# Altium PCB Coffee Machine.PcbDoc
Units mm, origin at the board's own origin, x right, y up, seen from the top; angles counter-clockwise.
Board outline 100 x 60 mm, 2 copper layers (Top Layer, Bottom Layer); 75 components, 66 nets, 236 pads, 47 vias.
Unrouted connection lines stored in the file: 1.
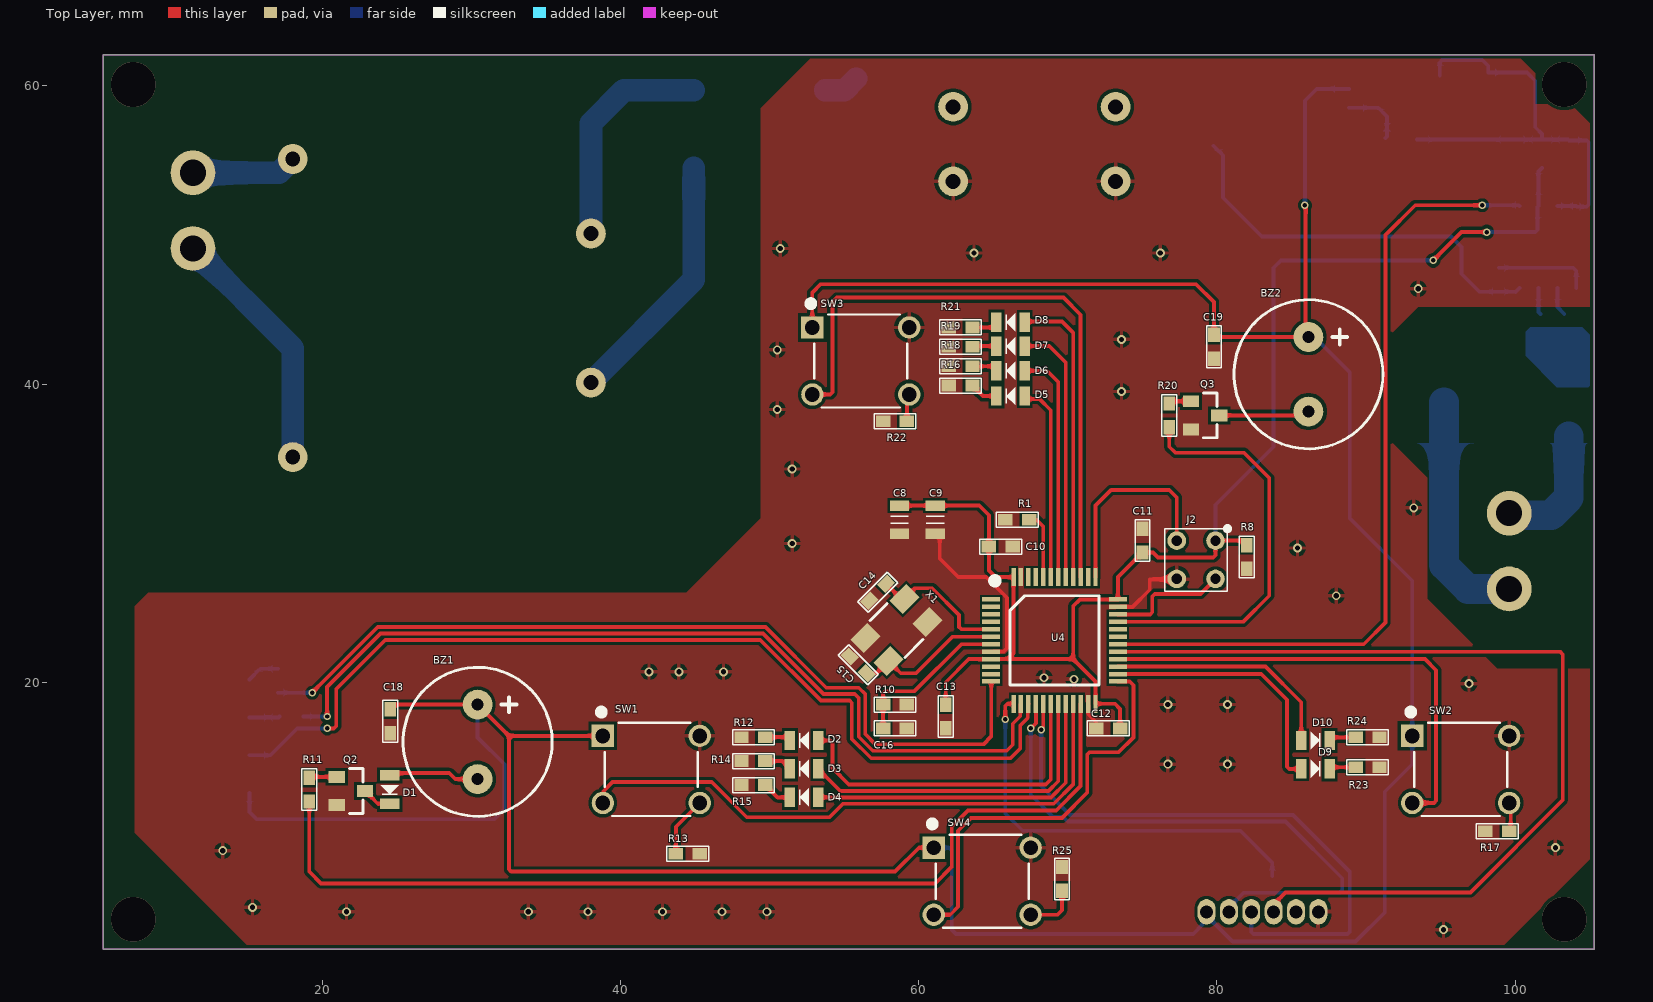
[diagram p0: Top Layer view]
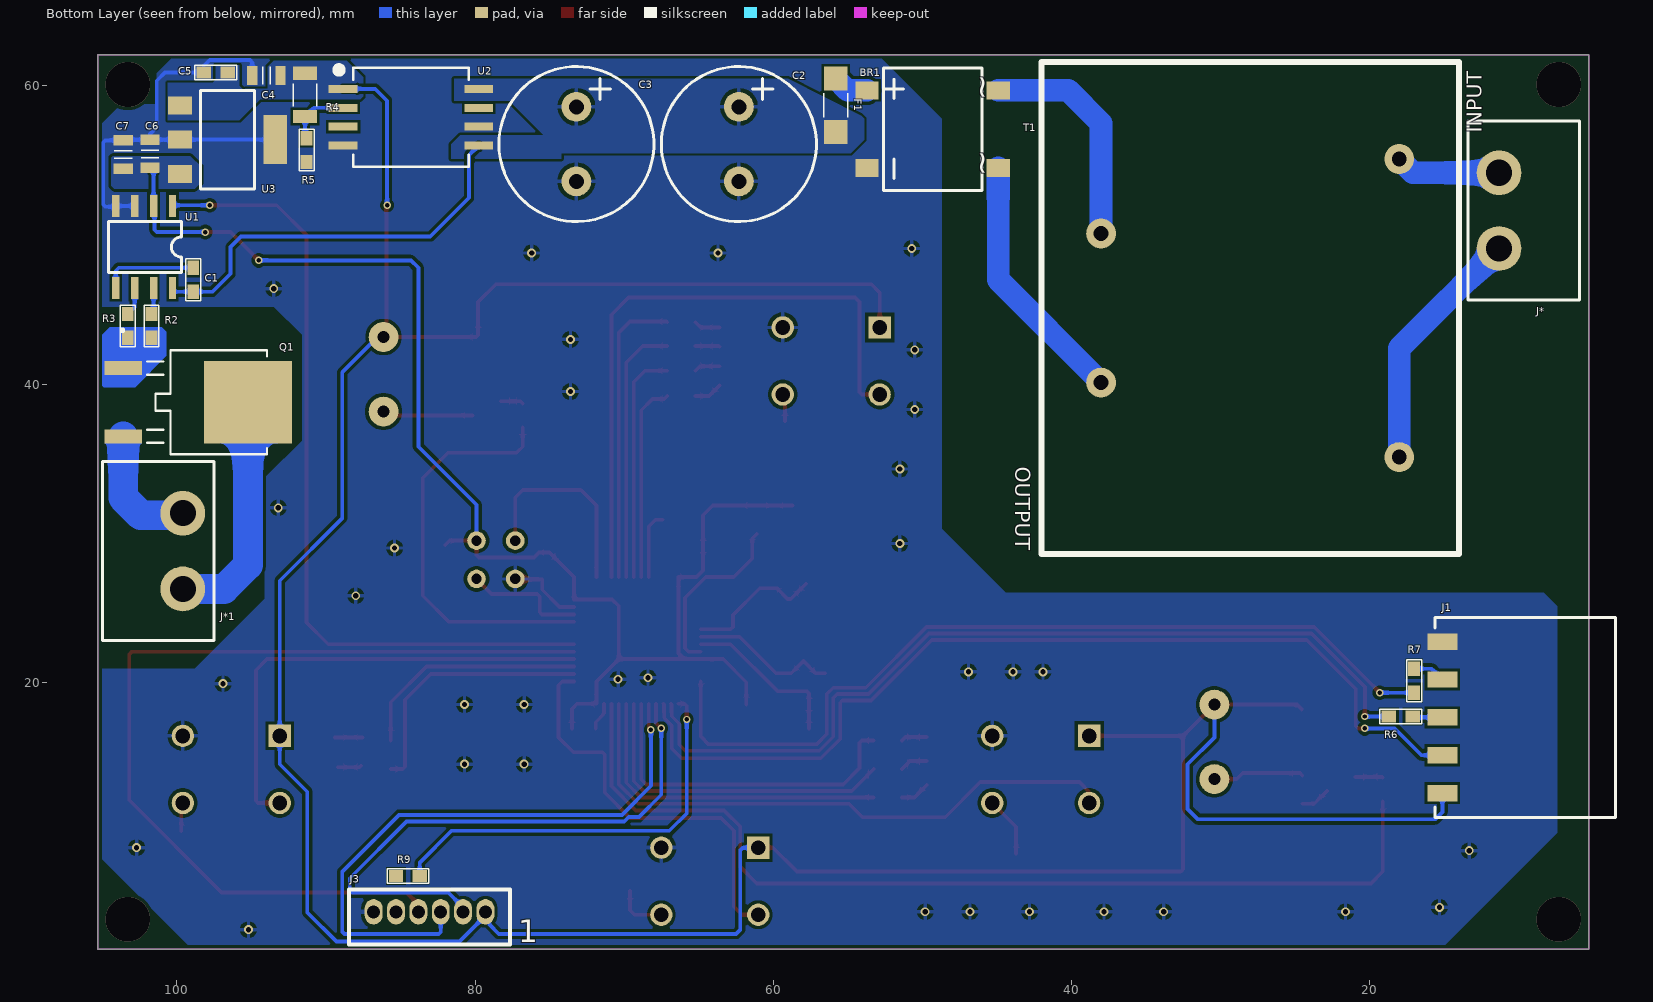
[diagram p1: Bottom Layer view, seen from below]
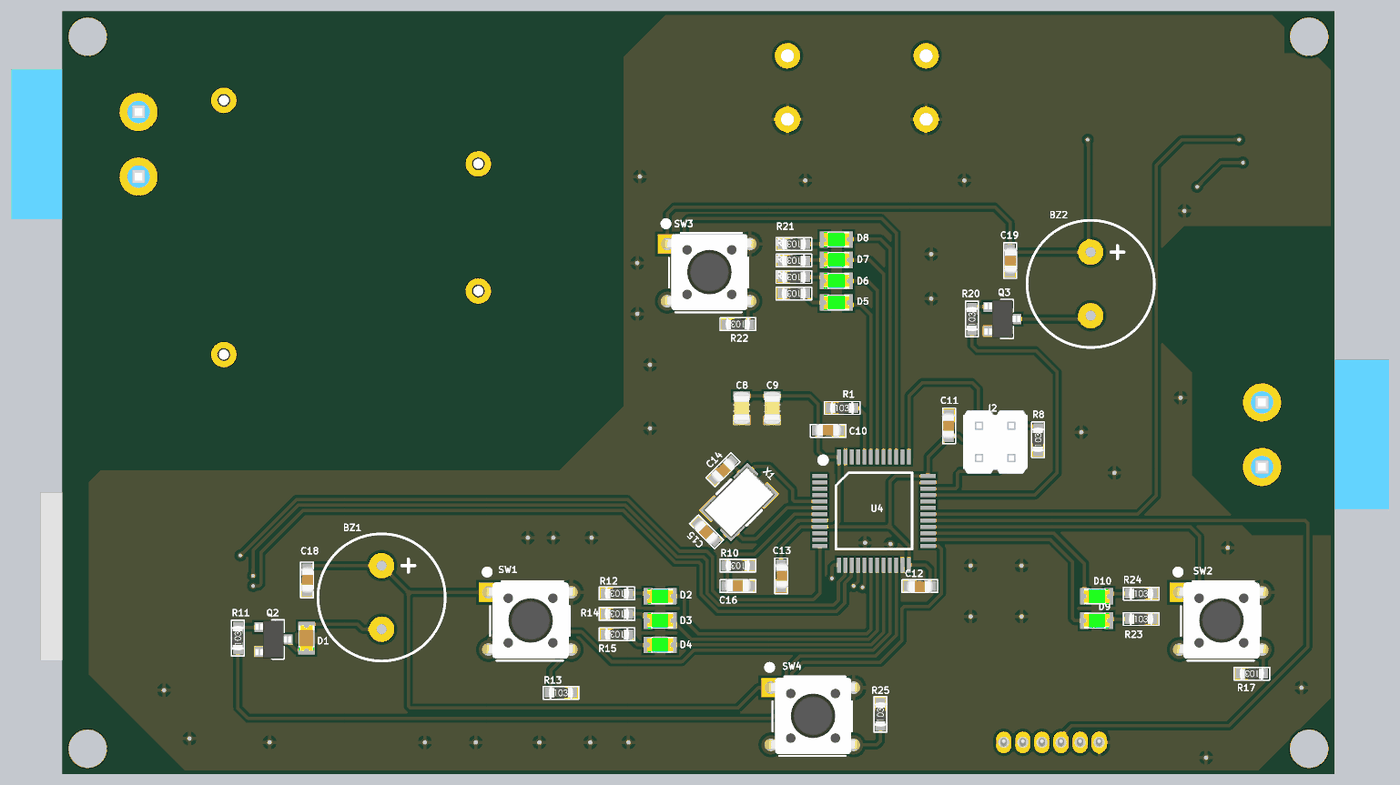
[diagram p2: 3D render of the assembled board from above, using the file's embedded part models]
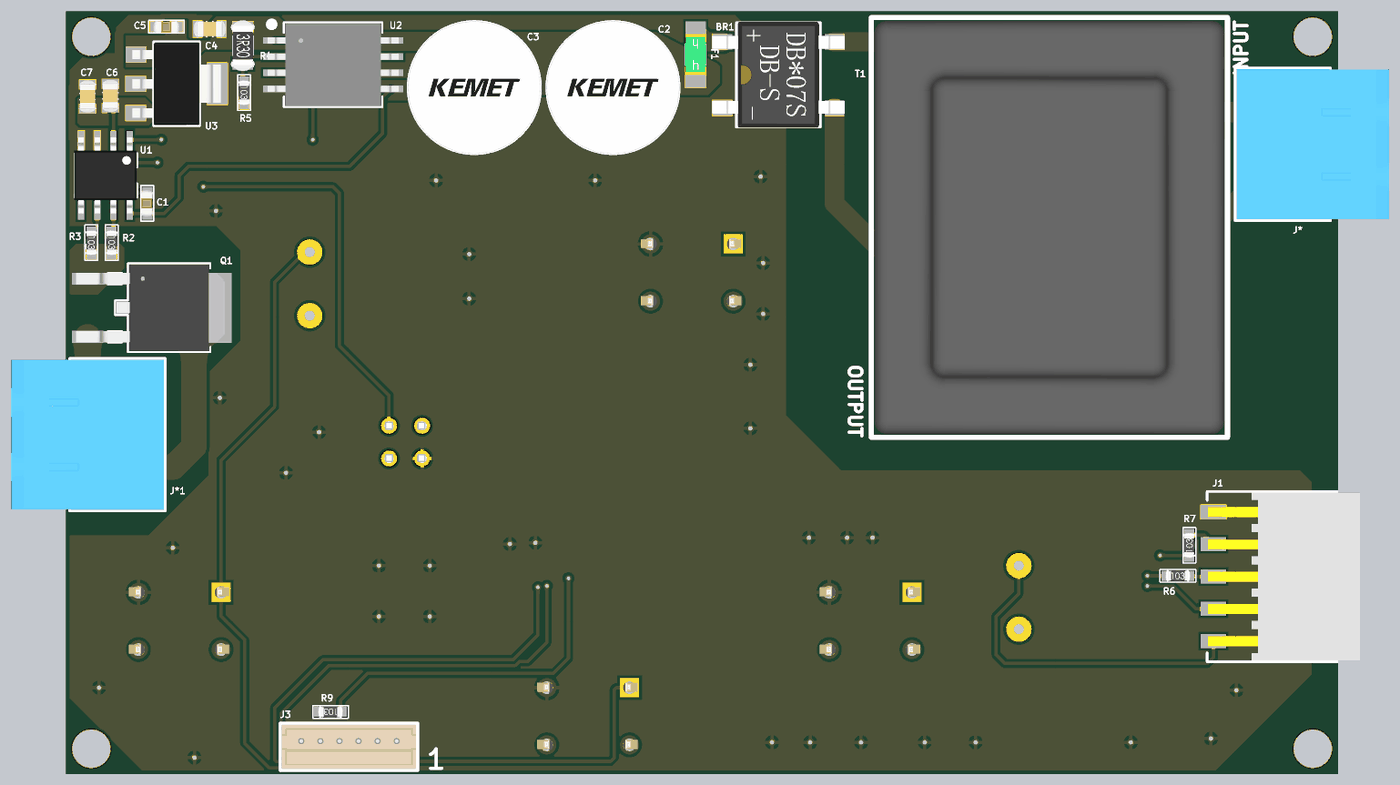
[diagram p3: 3D render of the assembled board from below, using the file's embedded part models]

## Layer stack, top to bottom
Top Solder: solder mask 0.0102, Solder Resist, Dk 3.5
Top Layer: signal copper 0.0356
Dielectric 1: dielectric 0.32, FR-4, Dk 4.8
Bottom Layer: signal copper 0.0356
Bottom Solder: solder mask 0.0102, Solder Resist, Dk 3.5

## Board outline
5.3,2.1 105.3,2.1 105.3,62.1 5.3,62.1

## Design rules (kind name [scope] priority, off if disabled: settings)
Clearance [All] p1: gap=0.229 ignorepadtopadclearanceinfootprint=FALSE except(0: Arc-Text Track-Text SMDPad-Text THPad-Text Via-Text Fill-Text Poly-Text Region-Text Text-Text Text-Hole; 0.17: Via-Via; 0.178: Arc-Arc Arc-Track Arc-SMDPad Arc-Via Track-Track Track-SMDPad Track-Via SMDPad-Fill SMDPad-Poly SMDPad-Region Fill-Fill Fill-Poly Fill-Region Poly-Poly Poly-Region Region-Region; 0.203: SMDPad-SMDPad SMDPad-THPad THPad-THPad; 0.254: Arc-THPad Track-THPad SMDPad-Via THPad-Via)
PolygonConnect [All] p1: thpad.connectstyle=Relief thpad.reliefconductorwidth=0.254 thpad.reliefentries=4 thpad.polygonreliefangle="90 Angle" thpad.airgapwidth=0.254 smdpad.connectstyle=Direct smdpad.reliefconductorwidth=0.254 smdpad.reliefentries=4 smdpad.polygonreliefangle="90 Angle" smdpad.airgapwidth=0.254 via.connectstyle=Relief via.reliefconductorwidth=0.254 via.reliefentries=4 via.polygonreliefangle="90 Angle" via.airgapwidth=0.254
RoutingVias [All] p1: holewidth=0.3 width=0.5 viastyle="Through Hole" minholewidth=0.25 minwidth=0.4 maxholewidth=0.5 maxwidth=1
SMDToCorner [All] p1: distance=9843
SolderMaskExpansion [All] p1: expansion=0.102 istentingtop=FALSE
Width [All] p1: maxlimit=2 minlimit=0.254 preferedwidth=0.254 minimp=50.000000 maximp=50.000000 favimp=50.000000
30 further rules are at their usual default settings.

## Classes and differential pairs
component class "Power Management": BR1 C1 C2 C3 C4 C5 C6 C7 F1 J1 J2 J3 J* J*1 Q1 R2 R3 R4 R5 R6 R7 R8 R9 T1 U1 U2 U3
component class Microcontroller: BZ1 BZ2 C8 C9 C10 C11 C12 C13 C14 C15 C16 C18 C19 D1 D2 D3 D4 D5 D6 D7 D8 D9 D10 Q2 Q3 R1 R10 R11 R12 R13 R14 R15 R16 R17 R18 R19 R20 R21 R22 R23 R24 R25 SW1 SW2 SW3 SW4 U4 X1

## Components (designator, comment, footprint, x,y, rotation, side; value= is the part's Value field where it differs from the comment)
BR1 "DB105STR" DB105STR 49.3,57.1 r90 bottom
BZ1 "CMI-9605IC-0580T" CMI-9605IC 30.4,16 r0 top
BZ2 "CMI-9605IC-0580T" CMI-9605IC 86.135,40.658 r0 top
C1 "CL10A226MO7JZNC" CAP_0603 98.9,47 r270 bottom value=22uF
C2 "ESH477M050AH4AA" CAP_RADIAL_D10_P5 62.3,56.1 r270 bottom
C3 "ESH477M050AH4AA" CAP_RADIAL_D10_P5 73.2,56.1 r270 bottom
C4 "CL21B105KBFNNNE" CAP_0805 94,60.7 r180 bottom
C5 "C0603C104K5RACTU" CAP_0603 97.4,60.9 r180 bottom
C6 "CL21A475KAQNNNE" CAP_0805 101.8,55.45 r270 bottom
C7 "CL21B105KBFNNNE" CAP_0805 103.6,55.4 r270 bottom
C8 "CL21A475KAQNNNE" CAP_0805 58.7,30.9 r90 top
C9 "CL21B105KBFNNNE" CAP_0805 61.1,30.9 r90 top
C10 "C0603C104K5RACTU" CAP_0603 65.5,29.1 r180 top
C11 "C0603C104K5RACTU" CAP_0603 75,29.5 r270 top
C12 "C0603C104K5RACTU" CAP_0603 72.7,16.9 r0 top
C13 "C0603C104K5RACTU" CAP_0603 61.8,17.7 r90 top
C14 "CL10C200JB8NNNC" CAP_0603 57.234,26.034 r45 top
C15 "CL10C200JB8NNNC" CAP_0603 55.934,21.166 r315 top
C16 "C0603C104K5RACTU" CAP_0603 58.4,16.9 r180 top
C18 "C0603C104K5RACTU" CAP_0603 24.531,17.376 r90 top
C19 "C0603C104K5RACTU" CAP_0603 79.8,42.5 r90 top
D1 "LH R974-LP-1" LED_RED_0805 24.5,12.8 r90 top
D2 "LTST-C171GKT" LED_GREEN_0805 52.3,16.09 r0 top
D3 "LTST-C171GKT" LED_GREEN_0805 52.3,14.182 r0 top
D4 "LTST-C171GKT" LED_GREEN_0805 52.3,12.274 r0 top
D5 "LTST-C171GKT" LED_GREEN_0805 66.15,39.2 r0 top
D6 "LTST-C171GKT" LED_GREEN_0805 66.15,40.9 r0 top
D7 "LTST-C171GKT" LED_GREEN_0805 66.15,42.55 r0 top
D8 "LTST-C171GKT" LED_GREEN_0805 66.15,44.144 r0 top
D9 "LTST-C171GKT" LED_GREEN_0805 86.6,14.182 r180 top
D10 "LTST-C171GKT" LED_GREEN_0805 86.6,16.09 r180 top
F1 "3413.0216.22" 3413.0216.22 55.8,58.7 r270 bottom
J1 "SMH-105-02-L-S" PINHEADER1X5_RA 15.1,17.64 r90 bottom
J2 "PH2-04-UA" BULK 78.6,28.3 r180 top
J3 "64800611622" 64800611622 83.05,4.6 r0 bottom
J* "TBP01R1-508-02BE" TBP01R1-508 11.3,51.64 r90 bottom
J*1 "TBP01R1-508-02BE" TBP01R1-508 99.6,28.8 r270 bottom
Q1 "FCD600N60Z" DPAK_TO-252AA_INF 97.186,38.786 r270 bottom
Q2 "MMBT3904-7-F" SOT-23F 21.9,12.7 r270 top
Q3 "MMBT3904-7-F" SOT-23F 79.2,37.9 r270 top
R1 "RC0603JR-07100RL" RES_0603 66.6,30.9 r0 top
R2 "RC0603FR-0710RL" RES_0603 101.7,43.9 r270 bottom value=10R
R3 "RC0603JR-073R3L" RES_0603 103.3,43.9 r270 bottom value=3.3R
R4 "CRMA1206AF500KFKEF" RES_1206 91.4,59.4 r270 bottom value=500kR
R5 "RC0603JR-07100KL" RES_0603 91.3,55.7 r270 bottom value=100kR
R6 "RC0603FR-0710KL" RES_0603 17.9,17.7 r180 bottom
R7 "RC0603JR-070RL" RES_0603 17,20.1 r90 bottom
R8 "RC0603FR-0710KL" RES_0603 82,28.4 r90 top
R9 "RC0603JR-070RL" RES_0603 84.5,7 r0 bottom
R10 "RC0603JR-07100RL" RES_0603 58.4,18.5 r180 top
R11 "RC0603JR-07100RL" RES_0603 19.1,12.8 r90 top
R12 "RC0603JR-07330RL" RES_0603 48.9,16.316 r180 top value=330R
R13 "RC0603FR-0710KL" RES_0603 44.5,8.5 r0 top
R14 "RC0603JR-07330RL" RES_0603 48.9,14.708 r180 top value=330R
R15 "RC0603JR-07330RL" RES_0603 48.9,13.1 r180 top value=330R
R16 "RC0603JR-07330RL" RES_0603 62.8,39.9 r180 top value=330R
R17 "RC0603FR-0710KL" RES_0603 98.8,10 r180 top
R18 "RC0603JR-07330RL" RES_0603 62.8,41.2 r180 top value=330R
R19 "RC0603JR-07330RL" RES_0603 62.8,42.5 r180 top value=330R
R20 "RC0603JR-07100RL" RES_0603 76.8,37.9 r90 top
R21 "RC0603JR-07330RL" RES_0603 62.8,43.8 r180 top value=330R
R22 "RC0603FR-0710KL" RES_0603 58.4,37.5 r180 top
R23 "RC0603JR-07330RL" RES_0603 90.1,14.3 r0 top value=330R
R24 "RC0603JR-07330RL" RES_0603 90.1,16.3 r0 top value=330R
R25 "RC0603FR-0710KL" RES_0603 69.6,6.8 r90 top
SW1 "1-1825910-4" SW4_1825910-D_TEC 45.3,11.9 r0 top
SW2 "1-1825910-4" SW4_1825910-D_TEC 99.6,11.9 r0 top
SW3 "1-1825910-4" SW4_1825910-D_TEC 59.354,39.3 r0 top
SW4 "1-1825910-4" SW4_1825910-D_TEC 67.5,4.4 r0 top
T1 "BV302S12010-ZU" BV302S 28,45.1 r270 bottom
U1 "1ED3120MC12HXUMA1" SOIC8 102.2,49.2 r0 bottom
U2 "TLV76701DGNR" PG-DSO-8-66 84.3,57.9 r180 bottom
U3 "AP7361-33E-13" SOT223 96.6,56.4 r270 bottom
U4 "STM32F103C6T6A" LQFP-48 69.1,22.8 r270 top
X1 "ECS-160-20-30B-TR" ECS 58.5,23.5 r45 top

## Footprints (in the part's own frame and the unit in brackets; to place one, negate y for a bottom-side part, rotate by r counter-clockwise, add the part's x,y. Pads: shape width x height; smd on the part's side, far side on the other; paste and mask are expansions set on the pad)
3413.0216.22 [mm]
  rect 1.6x1.6 smd mask+0.05: 1(-1.8,0) 2(1.8,0)
  silkscreen extent -0.8,-0.8 0.8,0.8, body extent -1.61,-0.8 1.61,0.8, height 0.64
64800611622 [mm]
  oval 1.2x1.7 hole 0.87 mask+0.05: 1(-3.75,0) 2(-2.25,0) 3(-0.75,0) 4(0.75,0) 5(2.25,0) 6(3.75,0)
  silkscreen extent -5.4,-1.5 5.4,2.2, body extent -5.25,-1.4 5.25,2.1, height 4.75
BULK [mm]
  round 1.25 hole 0.7: 1(-1.3,-1.2) 2(-1.3,1.37) 3(1.3,-1.2) 4(1.3,1.37)
  silkscreen extent -2.15,-2.05 2.1,2.2, body extent -2.57,-2.43 2.51,2.57, height 8.45
BV302S [mm]
  round 2 hole 1 mask+0.05: 1(10,10) 5(-10,10) 7(-5,-10) 9(5,-10)
  silkscreen extent -16.5,-14 16.5,14, body extent -16.25,-13.75 16.25,13.75, height 21.8
CAP_0603 [mil]
  rect 38x31 smd mask+1.97: 1(-31.5,0) 2(31.5,0)
  silkscreen extent -55,-20 55,20, body extent -41,-22 41,18, height 31
CAP_0805 [mm]
  rect 0.7x1.3 smd mask+0.05: 1(-0.95,0) 2(0.95,0)
  silkscreen extent -0.25,-0.6 0.25,0.6, body extent -1.3,-0.68 1.3,0.68, height 0.9
CAP_RADIAL_D10_P5 [mm]
  round 2 hole 1 mask+0.05: 1(-2.5,0) 2(2.5,0)
  silkscreen extent -5.2,-5.2 5.2,5.2, body extent -5.25,-5.25 5.25,5.25, height 22.2
CMI-9605IC [mm]
  round 2 hole 0.8 mask+0.05: 1(0,2.5) 2(0,-2.5)
  silkscreen extent -5,-5 5,5, body extent -4.8,-4.8 4.8,5.8, height 5.2
DB105STR [mm]
  rect 1.2x1.55 smd mask+0.05: 1(-2.605,-4.4) 2(2.605,-4.4) 3(2.605,4.4) 4(-2.605,4.4)
  silkscreen extent -4.1,-3.3 4.1,3.3, body extent -4.16,-5.2 4.16,5.2, height 2.66
DPAK_TO-252AA_INF [mil]
  rect 37x98 smd paste+0 mask+0: 1(-90,-252.5) 3(90,-252.5)
  rect 217x233 smd paste+0 mask+0: 2(0,77)
  silkscreen extent -194,-259 138,128, body extent -133,-288 133,173, height 94
ECS [mm]
  rect 1.6x1.25 smd mask+0.05: 1(-1.85,-1.1) 2(1.85,-1.1) 3(1.85,1.1) 4(-1.85,1.1)
  silkscreen extent -0.9,-1.7 0.8,1.7, body extent -2.5,-1.6 2.5,1.6, height 0.85
LED_GREEN_0805 [mm]
  rect 0.7x1.3 smd mask+0.05: 1(-0.95,0) 2(0.95,0)
  silkscreen extent -0.3,-0.6 0.3,0.6, body extent -1.01,-0.62 1.01,0.62, height 1.1
LED_RED_0805 [mm]
  rect 0.7x1.3 smd mask+0.05: 1(-0.95,0) 2(0.95,0)
  silkscreen extent -0.3,-0.6 0.3,0.6, body extent -1.01,-0.63 1.01,0.62, height 1.1
LQFP-48 [mm] "7mm x 7mm"
  rect 0.3x1.2 smd mask+0.05: 1(-2.75,-4.25) 2(-2.25,-4.25) 3(-1.75,-4.25) 4(-1.25,-4.25) 5(-0.75,-4.25) 6(-0.25,-4.25) 7(0.25,-4.25) 8(0.75,-4.25) 9(1.25,-4.25) 10(1.75,-4.25) 11(2.25,-4.25) 12(2.75,-4.25) 25(2.75,4.25) 26(2.25,4.25) 27(1.75,4.25) 28(1.25,4.25) 29(0.75,4.25) 30(0.25,4.25) 31(-0.25,4.25) 32(-0.75,4.25) 33(-1.25,4.25) 34(-1.75,4.25) 35(-2.25,4.25) 36(-2.75,4.25)
  rect 1.2x0.3 smd mask+0.05: 13(4.25,-2.75) 14(4.25,-2.25) 15(4.25,-1.75) 16(4.25,-1.25) 17(4.25,-0.75) 18(4.25,-0.25) 19(4.25,0.25) 20(4.25,0.75) 21(4.25,1.25) 22(4.25,1.75) 23(4.25,2.25) 24(4.25,2.75) 37(-4.25,2.75) 38(-4.25,2.25) 39(-4.25,1.75) 40(-4.25,1.25) 41(-4.25,0.75) 42(-4.25,0.25) 43(-4.25,-0.25) 44(-4.25,-0.75) 45(-4.25,-1.25) 46(-4.25,-1.75) 47(-4.25,-2.25) 48(-4.25,-2.75)
  silkscreen extent -4.2,-4.2 3,3, body extent -4.45,-4.45 4.55,4.55, height 1.5
PG-DSO-8-66 [mil]
  rect 76x21 smd paste+0 mask+0: 1(-179,75) 2(-179,25) 3(-179,-25) 4(-179,-75) 5(179,-75) 6(179,-25) 7(179,25) 8(179,75)
  silkscreen extent -198,-131 153,133, body extent -203,-126 203,126, height 104
PINHEADER1X5_RA [mm]
  rect 1.1x2 smd mask+0.05: 1(-5.08,0) 2(-2.54,0) 3(0,0) 4(2.54,0) 5(5.08,0)
  silkscreen extent -6.7,-11.6 6.7,0.5, body extent -6.6,-11.51 6.6,0.43, height 2.41
RES_0603 [mil]
  rect 38x31 smd mask+1.97: 1(-31.5,0) 2(31.5,0)
  silkscreen extent -55,-20 55,20, body extent -39,-19 39,20, height 17
RES_1206 [mm]
  rect 0.9x1.6 smd mask+0.05: 1(-1.45,0) 2(1.45,0)
  silkscreen extent -0.75,-0.8 0.75,0.8, body extent -1.98,-0.94 1.98,0.94, height 0.55
SOIC8 [mm]
  rect 0.5x1.5 smd mask+0.05: 1(-1.905,-2.75) 2(-0.635,-2.75) 3(0.635,-2.75) 4(1.905,-2.75) 5(1.905,2.75) 6(0.635,2.75) 7(-0.635,2.75) 8(-1.905,2.75)
  silkscreen extent -2.5,-1.7 2.4,1.7, body extent -2.45,-3 2.45,3, height 1.75
SOT223 [mm]
  rect 1.2x1.6 smd mask+0.05: 1(-2.3,-3.2) 2(0,-3.2) 3(2.3,-3.2)
  rect 3.3x1.6 smd mask+0.05: 2(0,3.2)
  silkscreen extent -3.3,-1.8 3.3,1.8, body extent -3.25,-3.48 3.25,3.48, height 1.65
SOT-23F [mm]
  rect 0.8x1.1 smd mask+0.05: 1(-0.95,-0.945) 2(0.95,-0.945) 3(0,0.945)
  silkscreen extent -1.5,-0.1 1.5,0.8, body extent -1.5,-1.42 1.5,1.42, height 1.2
SW4_1825910-D_TEC [mil]
  rect 59x59 / inner round 60 / far side rect 59x59 hole 39 paste-29.5 mask+0: 1(-255.91,177.17)
  round 59 / inner round 60 / far side round 59 hole 39 paste-29.5 mask-29.5: 2(0,177.17) 3(-255.91,0) 4(0,0)
  silkscreen extent -267,-34 -5,247, body extent -281,-28 30,208, height 374
TBP01R1-508 [mm]
  round 3 hole 1.75 mask+0.05: 1(-2.54,0) 2(2.54,0)
  silkscreen extent -6,-5.4 6,2.1, body extent -5.88,-10 5.88,2, height 8.55

## Part data
BR1: "Bridge Diode AC-DC", Manufacturer="Sangdest Microelectronics", Max Current=1A, Operating Voltage=600V, Supplier Part Number 1=1655-1821-1-ND, Designed by=FCE, Manufacturer Part Number=DB105STR, RoHS=No, Supplier 1=Digi-Key
BZ1 BZ2: "Audio Buzzer Magnetic 3VDC 7VDC 30mA 5VDC 85dB 2600Hz to 2800Hz Through Hole Pin Box", Manufacturer="CUI Devices", Supplier Part Number=2223-CMI-9605IC-0580T-ND, Category="Audio Products", Designed by=FCE, Manufacturer Part Number=CMI-9605IC-0580T, Pricing="1=1,22000, 10=1,01400, 25=0,93800, 50=0,88300, 100=0,82980, 250=0,76976, 500=0,71396, 1000=0,66741, 5000=0,65403 (USD)", RoHS=No, Stock=5921, Supplier=Digi-Key
C1: library part "CAP CER 22uF 0603", "Multilayer Ceramic Capacitor, 22 uF, 16 V, ± 20%, X5R, 0603 [1608 Metric]", Case Code (Metric)=1608, Case Code (Imperial)=0603, Manufacturer=Samsung, Max Operating Temperature=85°C, Min Operating Temperature=-55°C, Supplier Part Number=1276-7076-1-ND, Tolerance=20%, Voltage Rating=16V, Case/Package=0603, Category="Ceramic Capacitors", ComponentLink1Description=http://www.samsungsem.com/kr/support/product-search/mlcc/CL10A226MO7JZNC.jsp?src-supplier=Digi-Key, ComponentLink1URL=http://www.samsungsem.com/kr/support/product-search/mlcc/CL10A226MO7JZNC.jsp?src-supplier=Digi-Key, ComponentLink2Description=https://datasheet.octopart.com/CL10A226MO7JZNC-Samsung-Electro-Mechanics-datasheet-149156497.pdf?src-supplier=Future+Electronics, ComponentLink2URL=https://datasheet.octopart.com/CL10A226MO7JZNC-Samsung-Electro-Mechanics-datasheet-149156497.pdf?src-supplier=Future+Electronics, Designed by=FCE, Height=900um, Manufacturer Part Number=CL10A226MO7JZNC, Material=4241ConductorMaterial, Mounting Technology="Surface Mount", Packaging="Cut Tape", Pricing="1=0,59000, 10=0,39800, 50=0,31640, 100=0,26140, 500=0,20418, 1000=0,17355 (USD)", RoHS=Yes, RoHS Compliant=Yes, Series=CL, Stock=1426119, Supplier=Digi-Key
C2 C3: library part "CAP ALU ELEC 470uF 50V", "CAP ALU ELEC 470uF 50V RADIAL", Capacitance=470uF, Case/Package=Radial, Manufacturer=KEMET, Max Operating Temperature=105°C, Min Operating Temperature=-40°C, Supplier Part Number 1=399-15683-ND, Tolerance=20%, Voltage Rating=50V, ComponentLink1Description=https://api.kemet.com/component-edge/download/datasheet/ESH477M050AH4AA.pdf?src-supplier=Digi-Key, ComponentLink1URL=https://api.kemet.com/component-edge/download/datasheet/ESH477M050AH4AA.pdf?src-supplier=Digi-Key, Designed by=FCE, Life (Hours)=2000Hour, Manufacturer Part Number=ESH477M050AH4AA, Mount="Through Hole", Packaging=Bulk, Polarity=Polar, Pricing 1="1=0,59000, 10=0,41700, 50=0,31540, 100=0,27470, 500=0,20350, 1000=0,17298, 2500=0,16280, 5000=0,15262 (USD)", RoHS=No, RoHS Compliant=No, Stock 1=1181, Supplier 1=Digi-Key
C4 C7 C9: library part "CAP CER 1uF 0805", "CAP CER 1uF %10 0805", Capacitance=1uF, Case Code (Metric)=2012, Case Code (Imperial)=0805, Dielectric=X7R, Manufacturer=Samsung, Max Operating Temperature=125°C, Min Operating Temperature=-55°C, Package Quantity=1, Supplier Part Number 1=1276-1029-2-ND, Tolerance=10%, Voltage=50V, Case/Package=0805, Category="Ceramic Capacitors", ComponentLink1Description=https://datasheet.ciiva.com/25800/cl21b105kbfnnne-25800291.pdf?src-supplier=Digi-Key, ComponentLink1URL=https://datasheet.ciiva.com/25800/cl21b105kbfnnne-25800291.pdf?src-supplier=Digi-Key, ComponentLink2Description=https://datasheet.ciiva.com/16449/cl21b105kbfnnne-16449003.pdf?src-supplier=Future+Electronics, ComponentLink2URL=https://datasheet.ciiva.com/16449/cl21b105kbfnnne-16449003.pdf?src-supplier=Future+Electronics, ComponentLink3Description=https://datasheet.ciiva.com/26838/getdatasheetpartid-354075-26838668.pdf?src-supplier=Verical, ComponentLink3URL=https://datasheet.ciiva.com/26838/getdatasheetpartid-354075-26838668.pdf?src-supplier=Verical, Construction=Flat, Depth=1.25mm, Designed by=FCE, Height=1.25mm, Length=2mm, Manufacturer Part Number=CL21B105KBFNNNE, Mount="Surface Mount", Packaging="Tape and Reel", Pricing 1="2000=0,02138, 4000=0,01956 (USD)", Radiation Hardening=No, RoHS=Yes, RoHS Compliant=Yes, Series=CL, Stock 1=958000, Supplier 1=Digi-Key, Thickness=0.053inch, Voltage Rating=50V, Width=0.049inch
C5 C10 C11 C12 C13 C16 C18 C19: library part "CAP CER 100nF 0603", "CAP CER 100nF %10 0603 SMD", Capacitance=100nF, Case Code (Metric)=1608, Case Code (Imperial)=0603, Dielectric=X7R, Dielectric Material=Ceramic, Manufacturer=KEMET, Max Operating Temperature=125°C, Min Operating Temperature=-55°C, Package Quantity=1, Supplier Part Number 1=399-5089-1-ND, Tolerance=10%, Voltage=50V, Case/Package=0603, Category="Ceramic Capacitors", ComponentLink1Description=https://datasheet.ciiva.com/7823/kem-c1002-x7r-smd-7823591.pdf?src-supplier=Element14, ComponentLink1URL=https://datasheet.ciiva.com/7823/kem-c1002-x7r-smd-7823591.pdf?src-supplier=Element14, ComponentLink2Description=https://datasheet.ciiva.com/14602/70095383-14602583.pdf?src-supplier=Allied+Electronics, ComponentLink2URL=https://datasheet.ciiva.com/14602/70095383-14602583.pdf?src-supplier=Allied+Electronics, ComponentLink3Description=https://datasheet.ciiva.com/5999/kem-c1002-x7r-smd-5999400.pdf?src-supplier=Farnell, ComponentLink3URL=https://datasheet.ciiva.com/5999/kem-c1002-x7r-smd-5999400.pdf?src-supplier=Farnell, ComponentLink4Description=https://datasheet.ciiva.com/7823/kem-c1002-x7r-smd-7823592.pdf?src-supplier=Element14, ComponentLink4URL=https://datasheet.ciiva.com/7823/kem-c1002-x7r-smd-7823592.pdf?src-supplier=Element14, ComponentLink5Description=https://datasheet.ciiva.com/28645/1851736-28645640.pdf?src-supplier=Element14, ComponentLink5URL=https://datasheet.ciiva.com/28645/1851736-28645640.pdf?src-supplier=Element14, ComponentLink6Description=https://datasheet.ciiva.com/14585/70095383-14585209.pdf?src-supplier=Allied+Electronics, ComponentLink6URL=https://datasheet.ciiva.com/14585/70095383-14585209.pdf?src-supplier=Allied+Electronics, Contact Plating=Tin,Matte, Depth=0.8mm, Designed by=FCE, Dissipation Factor=2.5%, Height=0.8mm, Lead Pitch=0.7mm, Length=0.063inch, Manufacturer Part Number=C0603C104K5RACTU, Mount="Surface Mount", Number of Pins=2, Packaging="Tape and Reel", Pricing 1="1=0,12000, 10=0,08500, 50=0,04620, 100=0,03770, 500=0,02696, 1000=0,02118 (USD)", Radiation Hardening=No, REACH SVHC="No SVHC", RoHS=Yes, RoHS Compliant=Yes, Series="SMD Comm X7R", Stock 1=1666186, Supplier 1=Digi-Key, Termination=SMD/SMT, Thickness=0.034inch, Voltage Rating=50V, Voltage Rating (DC)=50V, Width=0.031inch
C6 C8: library part "CAP CER 4.7uF 0805", "CAP CER 4.7uF %10 0805", Capacitance=4.7uF, Case Code (Metric)=2012, Case Code (Imperial)=0805, Dielectric=X5R, Manufacturer=Samsung, Max Operating Temperature=85°C, Min Operating Temperature=-55°C, Package Quantity=1, Supplier Part Number 1=1276-1244-1-ND, Tolerance=10%, Voltage Rating=25V, Case/Package=0805, Category="Ceramic Capacitors", ComponentLink1Description=https://datasheet.ciiva.com/25798/cl21a475kaqnnne-25798882.pdf?src-supplier=Digi-Key, ComponentLink1URL=https://datasheet.ciiva.com/25798/cl21a475kaqnnne-25798882.pdf?src-supplier=Digi-Key, Construction=Flat, Depth=1.25mm, Designed by=FCE, Height=1.25mm, Lead Free="Lead Free", Length=2mm, Manufacturer Part Number=CL21A475KAQNNNE, Mount="Surface Mount", Packaging="Tape and Reel", Pricing 1="1=0,11000, 10=0,08100, 50=0,04580, 100=0,03800, 500=0,02664, 1000=0,02205 (USD)", Radiation Hardening=No, RoHS=Yes, RoHS Compliant=Yes, Series=CL, Stock 1=1477018, Supplier 1=Digi-Key, Thickness=0.055inch, Voltage Rating (DC)=25V, Width=0.049inch
C14 C15: library part "CAP CER 20pF 0603", "CAP CER 20pF %5 0603 SMD", Capacitance=20pF, Case Code (Metric)=1608, Case Code (Imperial)=0603, Dielectric=C0G, Manufacturer=Samsung, Max Operating Temperature=125°C, Min Operating Temperature=-55°C, Package Quantity=1, Supplier Part Number 1=1276-1187-1-ND, Temperature Coefficient=300ppm/°C, Tolerance=5%, Voltage=50V, Case/Package=0603, Category="Ceramic Capacitors", ComponentLink1Description=https://datasheet.ciiva.com/26877/getdatasheetpartid-640634-26877974.pdf?src-supplier=Verical, ComponentLink1URL=https://datasheet.ciiva.com/26877/getdatasheetpartid-640634-26877974.pdf?src-supplier=Verical, ComponentLink2Description=https://datasheet.ciiva.com/26310/mlcc-catalogdownload2013-eng-26310315.pdf?src-supplier=Distrelec, ComponentLink2URL=https://datasheet.ciiva.com/26310/mlcc-catalogdownload2013-eng-26310315.pdf?src-supplier=Distrelec, Construction=Flat, Depth=0.8mm, Designed by=FCE, Height=0.8mm, Length=1.6mm, Manufacturer Part Number=CL10C200JB8NNNC, Mount="Surface Mount", Packaging="Tape and Reel", Pricing 1="1=0,10000, 10=0,04700, 50=0,02560, 100=0,02090, 500=0,01490, 1000=0,01171 (USD)", Radiation Hardening=No, RoHS=Yes, RoHS Compliant=Yes, Series=CL, Stock 1=765558, Supplier 1=Digi-Key, Thickness=0.035inch, Voltage Rating=50V, Width=0.031inch
D1: library part "LED RED 0805", "LED Uni-Color Hyper Red 660nm 2-Pin Chip 0805(2012Metric) T/R", Case Code (Metric)=2012, Case Code (Imperial)=0805, Color=Red, Forward Current=30mA, Forward Voltage=1.8V, Lens Color=White, Manufacturer="Osram Opto", Max Operating Temperature=85°C, Min Operating Temperature=-30°C, Package Quantity=1, Reverse Voltage=5V, Supplier Part Number 1=475-1415-1-ND, Test Current=20mA, Case/Package=0805, Category=LEDs, ComponentLink1Description=http://www.jameco.com/Jameco/Products/ProdDS/2085634.pdf?src-supplier=Jameco, ComponentLink1URL=http://www.jameco.com/Jameco/Products/ProdDS/2085634.pdf?src-supplier=Jameco, ComponentLink2Description=http://components.arrow.com/part/dataview/0323_01825492?src-supplier=Arrow+Europe, ComponentLink2URL=http://components.arrow.com/part/dataview/0323_01825492?src-supplier=Arrow+Europe, ComponentLink3Description=https://dammedia.osram.info/media/resource/hires/osram-dam-2493888/LH%20R974.pdf?src-supplier=Digi-Key, ComponentLink3URL=https://dammedia.osram.info/media/resource/hires/osram-dam-2493888/LH%20R974.pdf?src-supplier=Digi-Key, ComponentLink4Description=http://www.mouser.com/ds/2/311/LH%20R974%20-%20CHIPLED%200805-318659.pdf?src-supplier=Mouser, ComponentLink4URL=http://www.mouser.com/ds/2/311/LH%20R974%20-%20CHIPLED%200805-318659.pdf?src-supplier=Mouser, ComponentLink5Description=https://www.verical.com/server-webapp/html/getDatasheet?partID=258950&src-supplier=Verical, ComponentLink5URL=https://www.verical.com/server-webapp/html/getDatasheet?partID=258950&src-supplier=Verical, ComponentLink6Description=http://components.arrow.com/part/dataview/41971690S1077610N9133?src-supplier=Arrow+Electronics, ComponentLink6URL=http://components.arrow.com/part/dataview/41971690S1077610N9133?src-supplier=Arrow+Electronics, ComponentLink7Description=http://components.arrow.com/part/dataview/41971690S6190115N2128?src-supplier=Arrow+Electronics, ComponentLink7URL=http://components.arrow.com/part/dataview/41971690S6190115N2128?src-supplier=Arrow+Electronics, Depth=1.35mm, Designed by=FCE, Dominant Wavelength=645nm, Length=2.1mm, Lens Size=1.25mm, Lens Style=Diffused,Flat,Colorless, Lens Transparency=Diffused, Luminous Flux=0.17lm, Luminous Intensity=71mcd, Manufacturer Part Number="LH R974-LP-1", Mount="Surface Mount", Number of Elements=1, Number of Pins=2, Packaging="Tape and Reel", Pricing 1="1=0,26000, 10=0,13900, 100=0,06480, 500=0,05978, 1000=0,04683, 2000=0,04584 (USD)", Radiation Hardening=No, RoHS=Yes, RoHS Compliant=Yes, Series=CHipLED, Stock 1=35632, Supplier 1=Digi-Key, Viewing Angle=160°, Width=1.25mm, Illumination Color=Red
D2 D3 D4 D5 D6 D7 D8 D9 D10: library part "LED GREEN 0805", "Green 0805 130 º Min 5 mcd Typical 12 mcd Water Clear Lens SMT LED", Case Code (Metric)=2012, Case Code (Imperial)=0805, Color=Green, Forward Current=30mA, Forward Voltage=2.1V, Lens Color=Colorless, Manufacturer="Vishay Lite-On", Max Operating Temperature=85°C, Min Operating Temperature=-55°C, Package Quantity=1, Power Dissipation=100mW, Reverse Voltage=5V, Supplier Part Number 1=160-1423-1-ND, Test Current=10mA, Case/Package=0805, Category=LEDs, ComponentLink1Description=https://datasheet.ciiva.com/2110/ltst-c171gkt-2110000.pdf?src-supplier=Digi-Key, ComponentLink1URL=https://datasheet.ciiva.com/2110/ltst-c171gkt-2110000.pdf?src-supplier=Digi-Key, ComponentLink2Description=https://datasheet.ciiva.com/11773/0900766b80dc0296-11773991.pdf?src-supplier=RSComponents, ComponentLink2URL=https://datasheet.ciiva.com/11773/0900766b80dc0296-11773991.pdf?src-supplier=RSComponents, ComponentLink3Description=https://datasheet.ciiva.com/12400/lite-on-ltst-c171gkt-190133-12400647.pdf?src-supplier=Mouser, ComponentLink3URL=https://datasheet.ciiva.com/12400/lite-on-ltst-c171gkt-190133-12400647.pdf?src-supplier=Mouser, ComponentLink4Description=https://datasheet.ciiva.com/2110/ltst-c171gkt-2110001.pdf?src-supplier=Digi-Key, ComponentLink4URL=https://datasheet.ciiva.com/2110/ltst-c171gkt-2110001.pdf?src-supplier=Digi-Key, ComponentLink5Description=https://datasheet.ciiva.com/2110/ltst-c171gkt-2110002.pdf?src-supplier=Digi-Key, ComponentLink5URL=https://datasheet.ciiva.com/2110/ltst-c171gkt-2110002.pdf?src-supplier=Digi-Key, ComponentLink6Description=https://datasheet.ciiva.com/16396/ltst-c171gkt-16396549.pdf?src-supplier=Future+Electronics, ComponentLink6URL=https://datasheet.ciiva.com/16396/ltst-c171gkt-16396549.pdf?src-supplier=Future+Electronics, Depth=1.25mm, Designed by=FCE, Dominant Wavelength=569nm, Height=0.8mm, Lead Free="Lead Free", Length=2mm, Lens Style=Diffused,Colorless,Rectangular,Clear, Lens Transparency=Clear, Luminous Intensity=12mcd, Manufacturer Part Number=LTST-C171GKT, Mount="Surface Mount", Number of Elements=1, Number of LEDs=1, Number of Pins=2, Packaging="Tape and Reel", Power Rating=100mW, Pricing 1="1=0,26000, 10=0,14100, 100=0,06560, 500=0,06060, 1000=0,04747 (USD)", Radiation Hardening=No, RoHS=Yes, RoHS Compliant=Yes, Series="CHIPLED 0805", Stock 1=159023, Supplier 1=Digi-Key, Viewing Angle=130°, Wavelength=585nm, Width=1.25mm, Illumination Color=Green
F1: library part "FUSE 3413.0216.22", "FUSE BRD MNT 1A 32VAC 63VDC 1206", Case Code (Metric)=3216, Case Code (Imperial)=1206, Current Rating=1A, DC Cold Resistance=94.2mR, Manufacturer=Schurter, Max Operating Temperature=90°C, Max Voltage Rating (AC)=32V, Max Voltage Rating (DC)=63V, Min Operating Temperature=-55°C, Package Quantity=1000, Supplier Part Number 1=486-1144-1-ND, Approvals=VDE,cURus, Body Material=Glass,Epoxy, Case/Package=1206, Category=Fuses, ComponentLink1Description=https://datasheet.ciiva.com/301/typ-usi-1206-301440.pdf?src-supplier=Digi-Key, ComponentLink1URL=https://datasheet.ciiva.com/301/typ-usi-1206-301440.pdf?src-supplier=Digi-Key, ComponentLink2Description=https://datasheet.ciiva.com/14541/70160006-14541114.pdf?src-supplier=Allied+Electronics, ComponentLink2URL=https://datasheet.ciiva.com/14541/70160006-14541114.pdf?src-supplier=Allied+Electronics, ComponentLink3Description=https://datasheet.ciiva.com/301/typ-usi-1206-301439.pdf?src-supplier=Digi-Key, ComponentLink3URL=https://datasheet.ciiva.com/301/typ-usi-1206-301439.pdf?src-supplier=Digi-Key, ComponentLink4Description=https://datasheet.ciiva.com/301/typ-usi-1206-301441.pdf?src-supplier=Digi-Key, ComponentLink4URL=https://datasheet.ciiva.com/301/typ-usi-1206-301441.pdf?src-supplier=Digi-Key, ComponentLink5Description=https://datasheet.ciiva.com/8264/typ-usi-1206-8264583.pdf?src-supplier=Avnet, ComponentLink5URL=https://datasheet.ciiva.com/8264/typ-usi-1206-8264583.pdf?src-supplier=Avnet, ComponentLink6Description=https://datasheet.ciiva.com/14102/qousi1206-data-e-14102903.pdf?src-supplier=Distrelec, ComponentLink6URL=https://datasheet.ciiva.com/14102/qousi1206-data-e-14102903.pdf?src-supplier=Distrelec, ComponentLink7Description=https://datasheet.ciiva.com/17405/typ-usi-1206-17405433.pdf?src-supplier=Avnet+Europe, ComponentLink7URL=https://datasheet.ciiva.com/17405/typ-usi-1206-17405433.pdf?src-supplier=Avnet+Europe, ComponentLink8Description=https://datasheet.ciiva.com/16316/typ-usi-1206-16316588.pdf?src-supplier=Future+Electronics, ComponentLink8URL=https://datasheet.ciiva.com/16316/typ-usi-1206-16316588.pdf?src-supplier=Future+Electronics, Contact Plating=Gold, Depth=1.6mm, Designed by=FCE, Fuse Type="Board Mount (Cartridge Style Excluded)", Height=0.6mm, Housing Material=Glass, Lead Free="Lead Free", Length=3.2mm, Manufacturer Part Number=3413.0216.22, Mount="Surface Mount,PCB", Number of Pins=2, Packaging="Tape and Reel", Pricing 1="1=0,67000, 50=0,52400, 100=0,39700, 500=0,31100 (USD)", Radiation Hardening=No, RoHS=Yes, RoHS Compliant=Yes, Series="USI 1206", Stock 1=609, Supplier 1=Digi-Key, Terminal Material=Tin, Termination=SMD/SMT, Voltage Rating=32V, Voltage Rating (AC)=32V, Voltage Rating (DC)=63V, Weight=0.000212oz, Width=1.6mm, Working Voltage=32V
J1: ".100 C.L. HORIZONTAL SMT SOCKET", Contact Resistance=10mR, Housing Color=Black, Manufacturer=Samtec, Max Operating Temperature=125°C, Min Operating Temperature=-55°C, Supplier Part Number 1=SAM11813-ND, Category="Headers and Wire Housings", ComponentLink1Description=http://components.arrow.com/part/dataview/0323_04802604?src-supplier=Arrow+Europe, ComponentLink1URL=http://components.arrow.com/part/dataview/0323_04802604?src-supplier=Arrow+Europe, ComponentLink2Description=http://www.farnell.com/datasheets/1927708.pdf?_ga=2.237598468.569325269.1503285096-1413671594.1503025027&src-supplier=Farnell, ComponentLink2URL=http://www.farnell.com/datasheets/1927708.pdf?_ga=2.237598468.569325269.1503285096-1413671594.1503025027&src-supplier=Farnell, ComponentLink3Description=ftp://ftp.samtec.com/webfiles/PDF/SMH.PDF?src-supplier=Avnet+Europe, ComponentLink3URL=ftp://ftp.samtec.com/webfiles/PDF/SMH.PDF?src-supplier=Avnet+Europe, ComponentLink4Description=http://www.samtec.com/documents/webfiles/pdf/SMH.PDF?src-supplier=Newark, ComponentLink4URL=http://www.samtec.com/documents/webfiles/pdf/SMH.PDF?src-supplier=Newark, ComponentLink5Description=http://www.samtec.com/documents/webfiles/pdf/SMH.PDF?src-supplier=Avnet, ComponentLink5URL=http://www.samtec.com/documents/webfiles/pdf/SMH.PDF?src-supplier=Avnet, ComponentLink6Description=http://suddendocs.samtec.com/catalog_english/smh.pdf?src-supplier=Digi-Key, ComponentLink6URL=http://suddendocs.samtec.com/catalog_english/smh.pdf?src-supplier=Digi-Key, Contact Material=Bronze, Contact Plating=Gold, Depth=10.8mm, Designed by=FCE, Gender=Receptacle, Housing Material=Polymer, Length=13.21mm, Manufacturer Part Number=SMH-105-02-L-S, Number of Contacts=4, Number of Rows=1, Orientation=Horizontal, Packaging=Rail/Tube, Pitch=2.54mm, Pricing 1="1=1,40000, 10=1,27400, 100=1,09200, 500=0,91000, 1000=0,78000, 5000=0,69160, 10000=0,67600 (USD)", Radiation Hardening=No, REACH SVHC="No SVHC", RoHS=Yes, Stock 1=59, Supplier 1=Digi-Key, Termination=Solder
J2: "Conn Unshrouded Header HDR 4 POS 2.54mm Solder ST Thru-Hole", Flammability Rating="UL94 V-0", Manufacturer="Adam Equipment", Max Operating Temperature=105°C, Min Operating Temperature=-55°C, Supplier Part Number=2057-PH2-04-UA-ND, Voltage Rating (AC)=250V, Insulation Color=Black, Category=Connectors, ComponentLink1Description=https://datasheet.ciiva.com/16476/catpg250-254-16476106.pdf?src-supplier=Future+Electronics, ComponentLink1URL=https://datasheet.ciiva.com/16476/catpg250-254-16476106.pdf?src-supplier=Future+Electronics, Connector Type=Header, Contact Finish - Mating=GOLD, Contact Material=Brass, Contact Shape=Square, Contact Type="Male Pin", Designed by=FCE, Fastening Type=Pull, Lead Free="Lead Free", Manufacturer Part Number=PH2-04-UA, Mounting Technology="Through Hole", Number of Positions=4, Number of Rows=2, Packaging=Box, Pitch=2.54mm, Pricing="1=0,10000, 10=0,04900, 100=0,03630, 500=0,03006, 1000=0,02630, 5000=0,02254, 10000=0,02192 (USD)", RoHS=Yes, Series=PH2, Stock=14367, Supplier=Digi-Key, Termination=Solder, Insulation Material=PBT